# Altium PCB Balam_Board_2021.PcbDoc (continued)
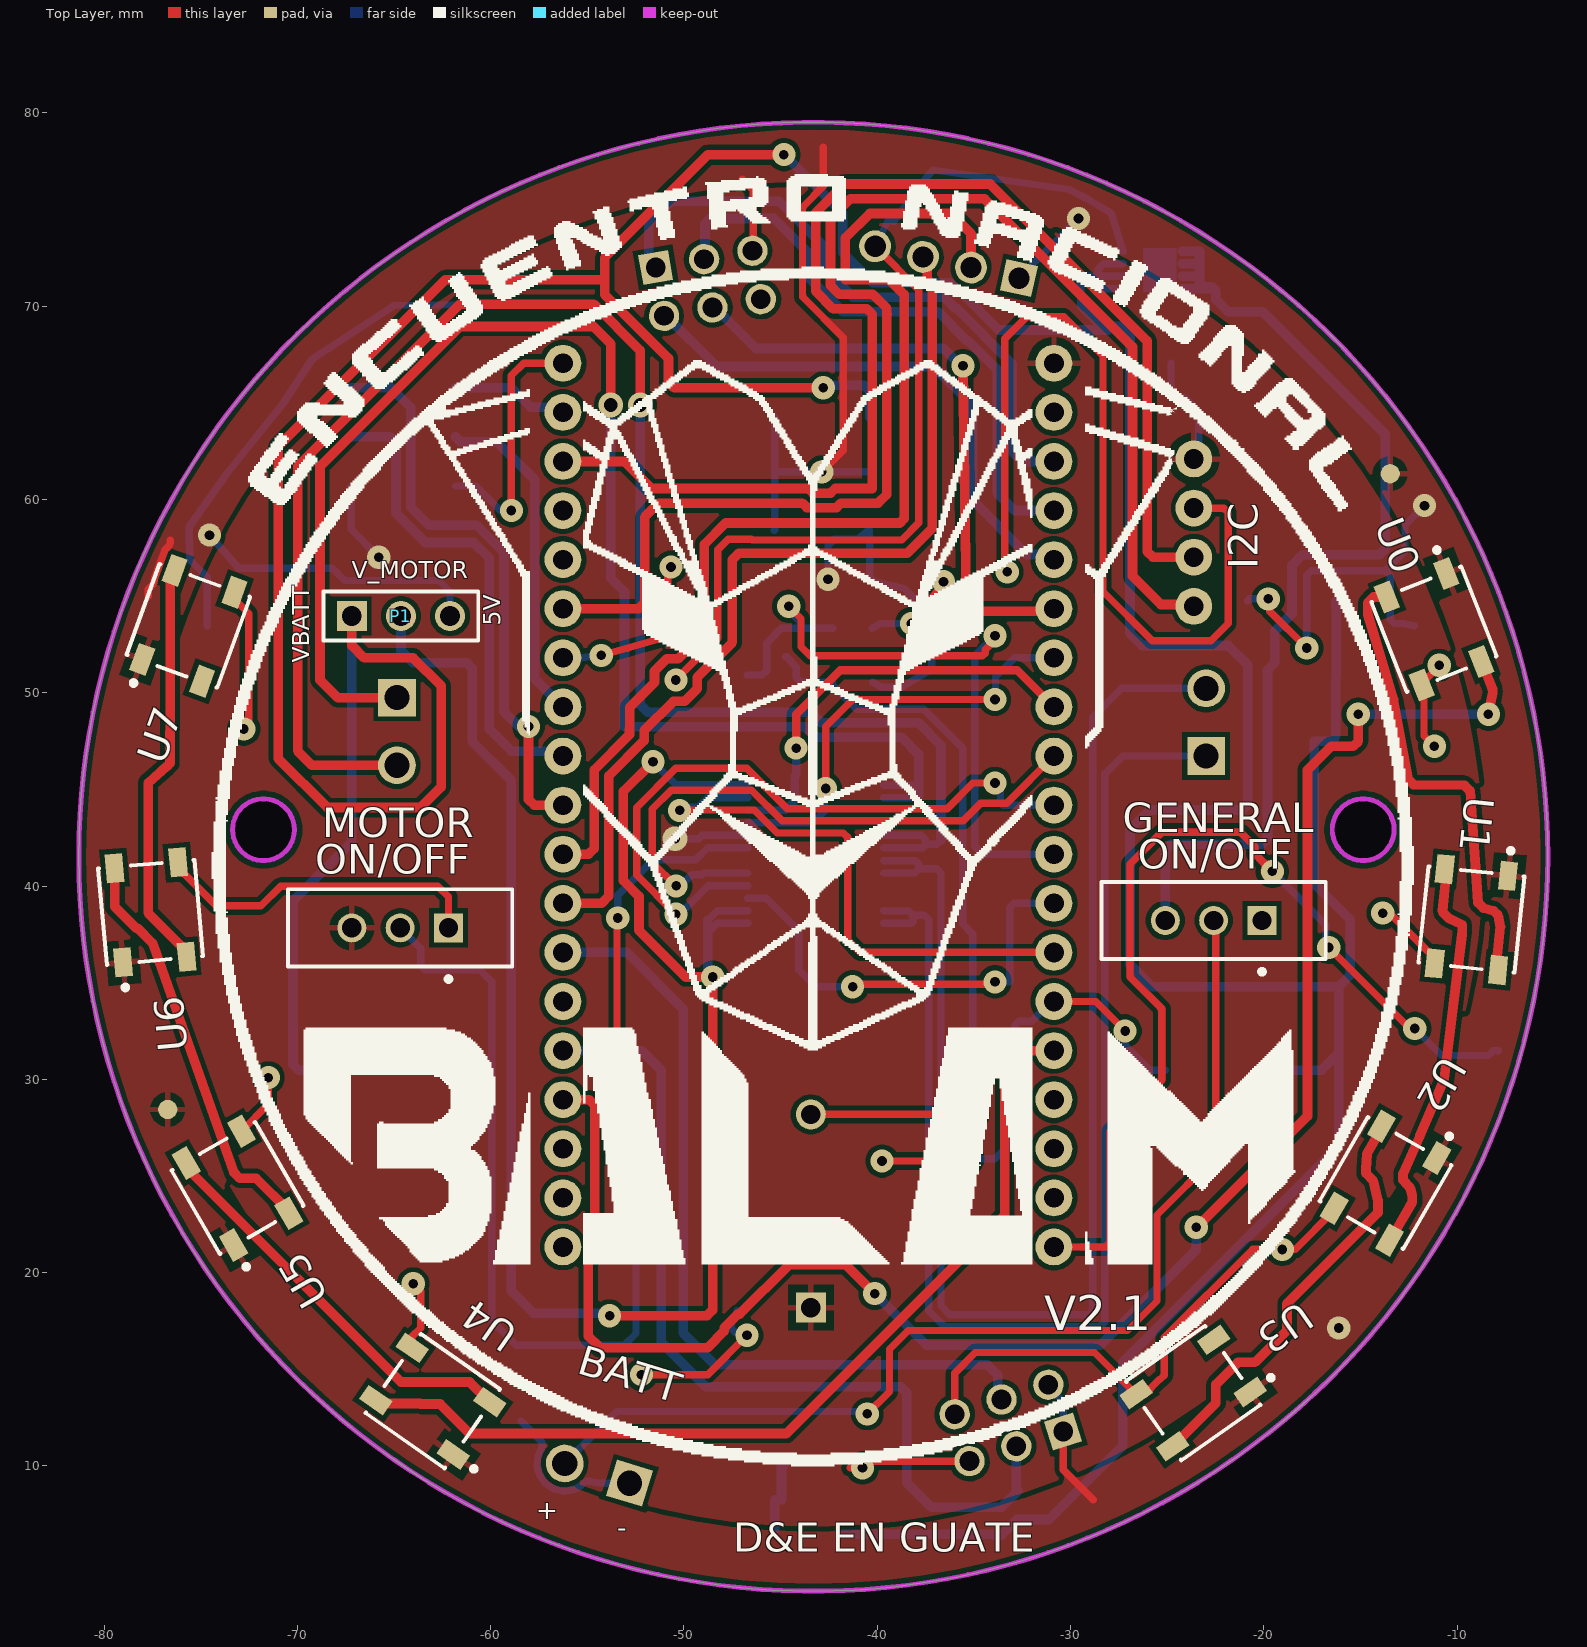
[diagram p0: Top Layer view]
## Part data (continued)
BATT MOTOR_1 MOTOR_2: library part CMP-1502-02464-1, "Serie 2141 - 3.50 mm Horizontal Entry Modular with Rising Cage Clamp WR-TBL, 2 pin", Manufacturer="Wurth Elektronik", Operating Temperature=-40to105degC, Datasheet URL=http://katalog.we-online.de/em/datasheet/6912141100xx.pdf, Manufacturer URL=http://www.we-online.de, Mounting Technology=THT, Package Reference=691214110002, Packaging=Box, Part Number=691214110002, Pin Number=2, Pitch=3.50mm, Publisher=WurthElektronik
BUZZER: library part CMP-08413-000001-1, "AUDIO PIEZO TRANSDUCER 30V TH", Frequency=2kHz, Manufacturer="TDK Corporation", Package=0, Temperature="-10°C to +70°C", Temperature Range High=+70°C, Temperature Range Low=-10°C, Automotive=No, Category=Speak, ComponentLink2Description=Datasheet, ComponentLink2URL=https://product.tdk.com/info/en/catalog/datasheets/piezoelectronic_buzzer_ps_en.pdf, Device Class L1=Electromechanical, Device Class L2="Audio Products", Device Class L3=Buzzers, Digikey Description="AUDIO PIEZO TRANSDUCER 30V TH", Height=8.3mm, Lead Free=Yes, Manufacturer Part Number=PS1720P02, Mouser Description="Audio Indicators & Alerts Round 17mmx8mm 2 kHz Vin=3V", Octopart=https://octopart.com/ps1720p02-tdk-154429, RoHS=TRUE, Standoff Height=0.5mm
C1 C2 C3 C4 C5 C6 C7 C8: library part CMP-2007-03241-1, Manufacturer=Kemet, Part Number=C0805C105Z4VACTU
C9 C10 C14: library part CMP-2000-05016-1, "Chip Capacitor, Ceramic, 0.1 uF, 10%, 50 V, 0805, RoHS, Tape and Reel", Capacitance=100nF, Case Size/Dimension=0805, Dielectric=X7R, Manufacturer=AVX, Rated Voltage=50V, Tolerance (%)=±10%, Datasheet URL=http://www.farnell.com/datasheets/319609.pdf, Datasheet Version=Sep-07, Manufacturer URL=http://www.avx.com/
C11 C12 C13 C15: library part CMP-2007-03242-1, "10µF ±10% 16V Ceramic Capacitor X5R 0805 (2012 Metric)", Part Number=CL21A106KOQNNNG
C16 C17: library part CMP-05427-000002-1, "CAP ALUM 47UF 20% 35V SMD", Capacitance=47uF, Leakage Current=16.45uA, Manufacturer=Panasonic, Package=FK-D, Ripple Current=240mA, Temperature="-55°C to +105°C", Temperature Range High=+105°C, Temperature Range Low=-55°C, Tolerance=20%, Voltage Rating=35V, Automotive=Yes, Automotive Grade="Grade 2", Category=Cap, ComponentLink2Description=Datasheet, ComponentLink2URL=https://industrial.panasonic.com/cdbs/www-data/pdf/RDE0000/ABA0000C1181.pdf, Device Class L1="Passive Components", Device Class L2=Capacitors, Device Class L3="Aluminum Electrolytic Capacitors", Digikey Description="CAP ALUM 47UF 20% 35V SMD", Dissipation Factor=12%, ESR=0.36Ω, Height=6.1mm, Lead Free=Yes, Life=2000Hours, Manufacturer Part Number=EEE-FK1V470P, Material=Aluminum, Mouser Description="Capacitor Aluminum Electrolytic 47uF 35 Volt 20% (6.3 X 5.8mm) Surface Mount 240mA 2000h 105C Automotive", Octopart=https://octopart.com/eeefk1v470p-panasonic-4642848, RoHS=TRUE
D1: library part CMP-2000-05061-2, "LED GREEN DIFFUSED 1206 SMD", Colour=Green, Forward Current=20mA, Forward Voltage=2.2V, Manufacturer=Broadcom, Max Junction Temp=+95°C, Power Dissipation=65mW, Reverse Voltage=5V, Temperature="-40°C to +85°C", Temperature Range High=+85°C, Temperature Range Low=-40°C, Automotive=No, Category=Diode, ComponentLink2Description=Datasheet, ComponentLink2URL=https://docs.broadcom.com/docs/AV02-0551EN, Device Class L1=Optoelectronics, Device Class L2=LEDs, Device Class L3=unset, Digikey Description="LED GREEN DIFFUSED 1206 SMD", Height=1.2mm, Ipc Land Pattern Name=DIOCP320160X55, Lead Free=Yes, Led Orientation="Top View", Luminous Intensity=15mcd, Manufacturer Part Number=HSMG-C150, Mouser Description="LED Uni-Color Green 570nm 2-Pin Chip LED T/R", Octopart=https://octopart.com/hsmg-c150-broadcom-71131304, Package=HSMG-C150, Peak Emmision Wavelength=570nm, RoHS=TRUE, Viewing Angle=170°, Wavelength=572nm
I2C: "Female Header 4 1 Straight，180degrees 2.54mm Through Hole,P=2.54mm Pin Header & Female Header RoHS"
J2 J4: library part CMP-15831-000002-1, "CONN HEADER R/A 6POS 2.54MM", Current Rating=3A, Manufacturer=Harwin, Package=0, Temperature="-40°C to +105°C", Temperature Range High=+105°C, Temperature Range Low=-40°C, Automotive=No, Category=Conn, ComponentLink2Description=Datasheet, ComponentLink2URL=https://cdn.harwin.com/pdfs/M20-995.pdf, Conn Gender=Male, Conn Orientation="Right Angle", Contact Material=Gold,Nickel, Device Class L1=Connectors, Device Class L2="Headers and Wire Housings", Device Class L3=unset, Digikey Description="CONN HEADER R/A 6POS 2.54MM", Height=5.28mm, Ipc Land Pattern Name=DFN400X400X80-14, Lead Free=Yes, Manufacturer Part Number=M20-9950345, Mouser Description="Headers & Wire Housings 03+03 DIL HORIZONTAL PIN HEADER GOLD HT", Number of Contacts=6, Number Of Rows=2, Octopart=https://octopart.com/m20-9950345-harwin-21265213, Pitch=2.54mm, RoHS=TRUE
ON/OFF ON/OFF: library part CMP-1696-00002-1, "Slide Switch, 500 V, -20 to 70 degC, 3-Pin THD, RoHS", Case\Package=SOT-23-5, Dropout Voltage="300 mV", Max Input Voltage="8 V", Max Operating Temperature="85 degC", Max Ouput Current="150 mA", Max Power Dissipation="250 mW", Min Input Voltage="4.3 V", Min Operating Temperature="-40 degC", Nominal Output Voltage="3.3 V", Package Quantity=3000, ComponentLink1Description="Manufacturer URL", ComponentLink1URL=http://www.e-switch.ch/en/, ComponentLink2Description=Datasheet, ComponentLink2URL=https://www.e-switch.com/system/asset/product_line/data_sheet/119/EG.pdf, DatasheetVersion=Oct-15, Height="1.3 mm", Length="3 mm", Mount="Surface Mount", Output Current="150 mA", Output Voltage="3.3 V", Outputs=1, PackageDescription="3-Pin Through Hole Device, Body 11.6 x 4 mm, Pitch 2.5 mm", PackageReference=EG1218, Packaging="Tape and Reel", Pins=5, Power Rating="250 mW", Radiation Hardening=No, REACH SVHC="No SVHC", RoHSCompliant=true, Width="1.8 mm"
P1: library part CMP-1024-00331-1, "0.025\" SQ Post Header, Through-hole, Vertical, -55 to 125 degC, 2.54 mm Pitch, 3-Pin, Male, RoHS", Manufacturer=Samtec, Temperature Range="-55 to 125 degC", ComponentLink1Description="Manufacturer URL", ComponentLink1URL=http://www.samtec.com, ComponentLink2Description=Datasheet, ComponentLink2URL=http://www.samtec.com/documents/webfiles/pdf/TSW_TH.PDF, ComponentLink3Description="Package Specification", ComponentLink3URL=http://www.samtec.com/documents/webfiles/cpdf/TSW-XXX-XX-XXX-X-XX-XXX-MKT.pdf, DatasheetVersion=F-214, Mounting Technology=Through-hole, Orientation=Vertical, PackageDescription=".025[0.64] SQ. Post Terminal Strip Assembly", PackageReference=TSW-103-07-X-S, PackageVersion="DM, 8/1988", PartNumber=TSW-103-07-F-S, Pitch="2.54 mm", RoHS=True
P2: library part CMP-1502-01024-1, "SMT Vertical Pin Header WR-PHD, Pitch 2.54 mm, Dual Row, 6 pins", Contact Resistance=20mOhm, Manufacturer="Wurth Elektronik", Operating Temperature=-40to125degC, Rated Current=3A, Withstanding Voltage=500VAC, Working Voltage=250VAC, Datasheet URL=https://katalog.we-online.de/em/datasheet/6100xx21121.pdf, Gender=Male, Manufacturer URL=http://www.we-online.de, Mounting Technology=SMT, Orientation=Vertical, Package Reference=61000621121, Packaging=Tube, Part Number=61000621121, Pin Number=6, Pitch=2.54mm, Publisher=WurthElektronik, Row Number=Dual
P3: library part CMP-1502-01063-1, "THT Angled Pin Header WR-PHD, Pitch 2.54 mm, Single Row, 4 pins", Contact Resistance=20mOhm, Manufacturer="Wurth Elektronik", Operating Temperature=-40to105degC, Rated Current=3A, Withstanding Voltage=500VAC, Working Voltage=250VAC, Datasheet URL=https://katalog.we-online.de/em/datasheet/6130xx11021.pdf, Gender=Male, Manufacturer URL=http://www.we-online.de, Mounting Technology=THT, Orientation=Angled, Package Reference=61300411021, Packaging=Bag, Part Number=61300411021, Pin Number=4, Pitch=2.54mm, Publisher=WurthElektronik, Row Number=Single
Q1: library part CMP-2000-04930-1, "N-Channel Enhancement Mode Mosfet, 50 V, 0.2 A, -55 to 150 degC, 3-Pin SOT23, RoHS, Tape and Reel", Id - Continuous Drain Current=200mA, Manufacturer="Diodes Inc", Maximum Operating Temperature=+150C, Minimum Operating Temperature=-55C, Package / Case=SOT-23-3, Package Description="3-Pin Small Outline Transistor, Body 2.9 x 1.3 mm, Pitch 0.96 mm", Package Reference=SOT23-3, Pd - Power Dissipation=300mW, Rds On - Drain-Source Resistance=3.5Ohms, Vds - Drain-Source Breakdown Voltage=50V, Vgs - Gate-Source Voltage=20V, Brand=DiodesIncorporated, Channel Mode=Enhancement, Configuration=Single, Datasheet URL=https://datasheet.ciiva.com/8115/ds30144-8115344.pdf, Datasheet Version="Rev. 20-2, 11/2013", Factory Pack Quantity=3000, Height=1mm, Length=2.9mm, Manufacturer URL=http://www.diodes.com/, Mounting Style=SMD/SMT, Number of Channels=1Channel, Packaging=Reel, Product=MOSFETSmallSignal, Product Category=MOSFET, RoHS=True, Series=BSS138, Technology=Si, Transistor Polarity=N-Channel, Transistor Type=1N-Channel, Typical Turn-Off Delay Time=20ns, Typical Turn-On Delay Time=20ns, Unit Weight=0.000282oz, Width=1.3mm
Q2: library part CMP-1099-00063-1, "P-Channel OptiMOS P3 Power-Transistor, -30 V VDS, -40 A ID, -55 to 150 degC, PG-TSDSON-8-1, Reel, Green", Manufacturer=Infineon, ComponentLink1Description="Manufacturer URL", ComponentLink1URL=http://www.infineon.com/, ComponentLink2Description=Datasheet, ComponentLink2URL=http://www.infineon.com/dgdl/BSZ086P03NS3+G_2.03.pdf?folderId=db3a304314dca38901154a7313d21a66&fileId=db3a30431ff9881501203d3a5e7d17a9, ComponentLink3Description="Package Specification", ComponentLink3URL=http://www.infineon.com/dgdl/BSZ240N12NS3+Rev2.0.pdf?folderId=db3a304313b8b5a60113cee8763b02d7&fileId=db3a30432a40a650012a42f3057a0038, DatasheetVersion="Rev. 2.03", Green=TRUE, Halogen-free=TRUE, ID (max)="-40Â A", IDpuls (max)="-160Â A", Mounting Technology="Surface Mount", PackageDescription="8-Pin Plastic (Green) Thin Dual Small Outline Non-Leaded Package, 3.3 x 3.3 mm Body, 0.65 mm Pitch", PackageReference=PG-TSDSON-8-1, PackageVersion="Rev. 02, 09/2008", Packing=Reel, PartNumber="BSZ086P03NS3 G", Pto t (max)="69Â W", QG="43.2Â nC", RDS (on) (max)="8.6Â mOhm", Rth="1.8Â K/W", RthJC (max)="1.8 K/W", VDS (max)="-30Â V", VGS(th) (max)="-1.9Â V", VGS(th) (min)="-3.1Â V"
R1: library part CMP-1013-00510-1, "1K 0.125W 1% 0805 (2012 Metric)  SMD", Case-EIA=0805, Case-Metric=2012, Power="0.125 W", Tolerance="1 %", Technology=SMT
R2: library part CMP-2001-04657-1, "10 kOhms ±5% 0.25W, 1/4W Chip Resistor 0805 (2012 Metric) Automotive AEC-Q200, Moisture Resistant Thick Film", Manufacturer="KOA Speer", Part Number=RK73B2ATTD103J
R11: library part CMP-2001-00612-1, Manufacturer=Panasonic, Part Number=ERA6AEB221V
U0 U1 U2 U3 U4 U5 U6 U7: library part CMP-2000-05026-1, "Intelligent Control LED Integrated Light Source, 3.5 to 5.3 V, -25 to 80 degC, 4-Pin SMD, RoHS, Tape and Reel", Color=Red,Green,Blue(RGB), Manufacturer=Adafruit-Industries-LLC, Package Description="4-Pin Surface Mount Device, Body 5 x 5 mm", Category=Optoelectronics, Configuration=Discrete, Controller Type=-, Datasheet URL=http://datasheet.octopart.com/ADA1655-Adafruit-Industries-datasheet-32028139.pdf, Datasheet Version=May-13, Family=Addressable,Specialty, Interface=-, Manufacturer URL=https://www.adafruit.com/, Mounting Type=SurfaceMount, Number of LEDs=10, Package Reference=1655, Series=Neopixel, Size / Dimension=5.00mmLx5.00mmW, Utilized LED=WS2812(5050)
U9: library part CMP-2100-03693-3, "IC MOTOR DRIVER 2.7V-5.5V 24SSOP", Case/Package=SSOP, Max Operating Temperature=85°C, Max Supply Voltage=5.5V, Min Operating Temperature=-20°C, Min Supply Voltage=2.7V, Operating Supply Voltage=3V, Output Current=1A, Package Quantity=1, Interface=Parallel, Logic Function=AND, Mount="Surface Mount", Number of Outputs=2, Number of Pins=24, Packaging="Tape and Reel"
U10: library part CMP-0244-00216-1, "Positive Voltage Regulator, 3-Pin DPAK, Tape and Reel", ComponentLink1Description="Manufacturer URL", ComponentLink1URL=http://www.st.com, ComponentLink2Description=Datasheet, ComponentLink2URL=http://www.st.com/internet/com/TECHNICAL_RESOURCES/TECHNICAL_LITERATURE/DATASHEET/CD00000444.pdf, DatasheetVersion=16/11/2011, PackageDescription="3-Pin Transistor Outline Package 2.28 mm Pitch, 9.7 mm Lead Span (DPAK)", PackageReference=TO-252, PackageVersion=2011

## Free pads (board coordinates)
  round 1 smd far side paste+0 mask+0.5: 100(-77.491,47.749) 100(-10.414,28.311)
  round 1 smd paste+0 mask+0.5: 100(-76.708,28.438) 100(-13.462,61.331)

## Via types
v1: diameter 1.2, hole 0.5, Top Layer to Bottom Layer, tented both sides, 58 vias
v2: diameter 1.27, hole 0.711, Top Layer to Bottom Layer, tented both sides, 2 vias
v3: diameter 1.27, hole 0.5, Top Layer to Bottom Layer, tented both sides, 1 vias

## Nets (pads, with @x,y where several pads share a name; then routed paths per layer and width w, separated by ;. In a path a pad name is that pad's centre, name@x,y a point inside that pad or via, vN(x,y) a via of type N, cw(c..) or ccw(c..) an arc to the next point about the centre after c; other vN are vias at no path point)
3V3: BUZZER.1 C9.2 C10.2 ESP.3V3 I2C.1 ON/OFF.3@-67.183,37.836 P2.1 R1.2 U9.20 | length 30.7
  Bottom Layer w0.381: P2.1 -67.216,58.443 v1(-65.786,57.013) ; v3(-50.465,42.445) -49.243,42.445 -49.068,42.621 U9.20 ; v1(-42.545,55.87) -42.545,57.617 -42.432,57.729 -42.217,57.945 -41.006,57.945 C9.2 -40.386,57.826 -40.386,56.055 -40.386,55.966 -40.163,55.743 -38.588,55.386 -37.324,54.198 -37.294,54.168 -37.211,54.085 -37.182,54.017 -37.182,51.276 -37.208,51.25 -37.32,51.138 -38.735,50.282 -39.79,50.282 R1.2 ; C10.2 -24.801,65.268 -24.099,65.268 -23.368,64.537 I2C.1@-23.368,62.093
5V: C1.2 C2.2 C3.2 C4.2 C5.2 C6.2 C7.2 C8.2 C12.2 C13.2 C14.2 C15.2 ESP.5V J2.5 J4.1 J4.2 P1.3 P3.1 pad.100@-13.462,61.331 pad.100@-76.708,28.438 U0.1 U1.1 U2.1 U3.1 U4.1 U5.1 U6.1 U7.1 U10.3 | length 132.4
  Top Layer w0.381: -77.724,54.981 -77.724,55.359 -77.522,55.561 ccw(c-77.792,55.829) -77.412,55.802 cw(c-77.033,55.777) -77.39,55.907 -76.877,57.316 cw(c-76.52,57.186) -76.74,57.496 ccw(c-76.962,57.806) -76.581,57.805 -76.581,57.902 ; -46.99,76.571 -46.418,75.999 J2.5@-46.418,72.95 ; v1(-42.877,61.427) -41.754,62.549 -41.754,68.365 -43.87,70.481 -43.87,75.124 -42.799,76.195 -42.799,78.222 ; ESP.5V -28.163,21.326 -27.94,21.549 -27.94,27.295 -25.273,29.962 -25.273,33.645 -26.924,35.296 -26.924,41.138 -25.273,42.789 -21.209,42.789 -20.462,42.042 -20.462,41.661 v1(-19.558,40.757) ; J4.1 -30.383,9.8 -28.829,8.245 ; -19.685,54.219 v1(-17.78,52.314) ; v1(-16.637,36.82) -12.446,32.629 v1(-12.192,32.629)
  Bottom Layer w0.381: v1(-74.549,58.156) -73.025,56.442 -68.199,56.442 -67.564,55.807 -62.674,55.807 -62.103,55.235 P1.3 ; C13.2 -45.309,58.429 C12.2 ; C15.2 v1(-42.877,61.427) -40.453,61.427 C14.2 ; P3.1 -32.671,71.454 -29.591,74.533 v1(-29.591,74.539) ; J4.2 -31.147,14.097 -30.383,13.333 J4.1 ; U10.3 -20.742,54.854 v1(-19.773,54.854) ; v1(-19.558,40.757) -16.793,37.992 -16.793,36.976 v1(-16.637,36.82) ; v1(-17.78,52.314) -17.78,56.095 -17.557,56.318 -13.711,56.318 ; C1.2 -12.762,53.584 -13.188,53.584 -13.242,53.584 -13.465,53.807 -13.465,54.123 -13.463,55.096 -13.462,56.069 -13.711,56.318 ; v1(-12.192,32.629) -10.795,31.232 -8.382,31.232 -8.128,31.486 -7.874,31.486 ; v1(-11.684,59.68) -12.7,58.664 -12.7,57.329 -13.711,56.318
  other v1: -16.129,17.135
AIN_1: ESP.32 U9.21 | length 22.6
  Top Layer w0.381: v1(-42.672,45.047) -42.672,48.25 -41.275,49.647 v1(-33.909,49.647)
  Bottom Layer w0.381: U9.21 -43.333,43.271 -42.729,43.875 -42.729,44.99 v1(-42.672,45.047) ; v1(-33.909,49.647) -33.88,49.676 -33.88,50.819 -32.893,51.806 ESP.32
AIN_2: ESP.33 U9.22 | length 22.2
  Top Layer w0.432: v1(-44.196,47.136) -44.196,48.881 -41.906,51.171 -32.766,51.171 ESP.33
  Bottom Layer w0.381: U9.22 -44.754,43.921 -44.608,44.068
  Bottom Layer w0.432: -44.608,44.068 -44.273,44.402 -44.273,45.672 -44.196,45.749 v1(-44.196,47.136)
BIN_1: ESP.25 U9.17 | length 31.7
  Top Layer w0.381: v1(-50.407,40.007) -50.431,40.007 -51.634,41.21 -51.634,43.984 -50.658,44.96 -46.506,44.96 -44.918,43.371 -35.554,43.371 -34.64,44.285 -33.303,44.285 ESP.25
  Bottom Layer w0.381: v1(-50.407,40.007) -50.186,40.007 -49.604,40.589 -49.063,40.589 -48.981,40.671 U9.17
BIN_2: ESP.26 U9.16 | length 35.5
  Top Layer w0.381: v1(-50.419,38.541) -52.451,40.573 -52.451,44.059 -50.419,46.091 -46.745,46.091 -44.656,44.002 -36.379,44.002 -35.052,45.329 v1@-33.782,45.329
  Bottom Layer w0.381: v1(-50.419,38.541) -50.219,38.541 -48.739,40.021 U9.16 ; v1@-33.782,45.329 -33.625,45.172 -33.625,44.334 -33.477,44.186 ESP.26
  other v1: -33.909,45.329
Buzzer_O: ESP.27 Q1.1 R2.1 | length 36.5
  Top Layer w0.381: v1(-44.577,54.473) -43.942,53.838 -43.942,52.384 -43.463,51.905 -34.563,51.905 -34.417,52.051 -34.417,52.22 -33.909,52.728 v1(-33.909,52.949)
  Bottom Layer w0.381: Q1.1 -45.943,50.917 -45.72,51.14 -45.72,52.568 -44.958,53.33 -43.942,53.33 ; v1(-44.577,54.473) -44.577,54.252 -43.942,53.617 -43.942,53.33 ; R2.1 -43.942,53.33 ; v1(-33.909,52.949) -34.953,51.905 -34.953,42.056 -34.544,41.646 ESP.27
CNY70_1: ESP.VP J2.1 | length 32.8
  Bottom Layer w0.5: J2.1@-51.412,72.022 -51.816,72.426 -51.816,74.285 -50.673,75.428 -45.085,75.428 -42.799,73.142 -42.799,72.003 -41.26,70.463 -36.556,70.463 -36.012,69.919 -35.938,69.919 -33.02,67.001 -33.02,62.474 -32.512,61.966 ESP.VP
CNY70_2: ESP.VN J2.3 | length 30.7
  Bottom Layer w0.5: J2.3@-48.915,72.486 -48.915,74.265 -48.641,74.539 -45.339,74.539 -43.561,72.761 -43.561,71.491 -41.783,69.713 -36.867,69.713 -35.361,68.208 -35.287,68.208 -33.782,66.702 -33.782,60.315 -32.893,59.426 ESP.VN
CNY70_3: ESP.34 J2.2 | length 28.2
  Bottom Layer w0.5: J2.2@-50.948,69.525 -48.303,66.88 -37.082,66.88 -35.052,64.85 -35.052,59.934 -32.273,57.155 -31.13,57.155 ESP.34
CNY70_4: ESP.35 J2.4 | length 31.2
  Top Layer w0.5: v1(-35.56,66.919) -35.391,54.685 -34.925,54.219 -30.988,54.219 ESP.35
  Bottom Layer w0.5: J2.4@-48.451,69.989 -46.27,67.808 -36.576,67.808 -35.687,66.919 v1(-35.56,66.919)
CS: ESP.5 P2.5 | length 30
  Top Layer w0.5: v1(-58.039,48.25) -58.039,44.479 -57.746,44.186 ESP.5
  Bottom Layer w0.5: P2.5 -65.151,65.776 -64.135,64.76 -64.135,59.598 -63.201,58.664 -60.706,58.664 -59.309,57.267 -59.309,49.012 -58.547,48.25 v1(-58.039,48.25)
DIN_Neopixel: ESP.15 U0.4 | length 92.6
  Top Layer w0.5: ESP.15 -54.903,28.946 -54.61,28.653 -54.61,20.917 -54.952,20.575 -54.952,16.715 -54.356,16.119 -48.768,16.119 -47.917,16.97 -47.917,17.134 -47.193,17.858 -47.117,17.858 -44.577,20.398 -41.617,20.398 v1(-40.132,18.913) ; v1(-23.495,22.342) -17.741,28.096 -17.741,46.003 -16.51,47.234 -15.367,47.234 -15.113,47.488 v1(-15.113,48.885) ; U0.4 -8.554,51.162 -8.171,50.198 -8.159,50.002 v1(-8.382,48.885)
  Bottom Layer w0.5: v1(-40.132,18.913) -37.465,16.246 -28.448,16.246 -23.495,21.199 v1(-23.495,22.342) ; v1(-15.113,48.885) v1(-8.382,48.885)
DIN_Neopixel2: ESP.13 U4.4 | length 48.7
  Top Layer w0.5: U4.4 -65.775,13.231 -63.66,13.231 -63.627,13.198 -62.611,13.198 -61.087,11.674 -44.704,11.674 -33.401,22.977 -33.401,31.066 -32.981,31.486 ESP.13
Dout5: U4.2 U5.4 | length 21
  Top Layer w0.5: U5.4 -75.75,25.448 -64.643,14.341 -61.086,14.341 U4.2
ECHO: ESP.16 P3.3 | length 48.2
  Top Layer w0.5: ESP.16 -54.268,39.106 -53.891,39.483 -53.891,45.704 -52.063,47.532 -52.063,48.042 -50.546,49.559 -49.962,49.559 -49.315,50.206 -49.315,50.791 -47.498,52.608 -47.498,56.886 -47.172,57.212 -38.449,57.212 -37.156,58.505 -37.156,71.119 -37.41,71.374 -37.41,72.327 P3.3
GND: BATT.1 C1.1 C2.1 C3.1 C4.1 C5.1 C6.1 C7.1 C8.1 C9.1 C10.1 C11.1 C12.1 C13.1 C14.1 C15.1 C16.1 C17.1 ESP.GND I2C.2 J2.6 J4.5 J4.6 ON/OFF.1@-62.183,37.836 P2.2 P3.4 Q1.2 Q2.4 R2.2 R11.1 U0.3 U1.3 U2.3 U3.3 U4.3 U5.3 U6.3 U7.3 U9.3 U9.4 U9.9 U9.10 U9.18 U10.4 | length 266.4
  Top Layer w0.381: U6.3 -76.169,40.952 -74.196,38.979 -71.882,38.979 -70.866,39.995 -62.738,39.995 -62.183,39.44 ON/OFF.1@-62.183,37.836 ; U7.3 -73.252,54.836 -72.517,54.101 -72.517,48.377 v1(-72.771,48.123) ; U5.3 -71.501,28.712 v1(-71.501,30.089) ; U4.3 -64.084,16.136 -64.084,16.678 -63.627,17.135 -63.627,19.04 v1(-64.008,19.421) ; v1(-58.928,59.426) -58.928,66.411 -58.293,67.046 ESP.GND@-56.261,67.046 ; v1(-54.275,51.932) -52.923,52.306 -50.828,52.905 -50.673,53.079 -50.673,54.618 -50.927,54.872 -50.927,55.268 -50.83,55.365 -50.83,56.348 v1(-50.673,56.505) ; v1(-52.197,14.722) -48.768,14.722 v1(-46.736,16.754) ; v1(-50.419,50.663) -48.26,52.822 -48.26,57.394 -47.71,57.944 -46.524,57.944 -46.482,57.902 -38.735,57.902 -37.846,58.791 -37.846,70.833 P3.4 ; v1(-40.767,9.896) -41.402,9.896 cw(c-40.55,9.044) -40.55,10.249 J4.5 ; v1(-39.751,25.771) -35.433,25.771 v1(-35.306,25.898) ; v1(-38.227,53.584) -36.839,55.35 -36.83,55.362 v1(-36.576,55.743) ; J4.6 -35.992,14.798 -34.925,15.865 -28.764,15.865 U3.3 -26.16,13.712 -25.404,14.468 -25.369,14.468 -25.146,14.691 -25.146,16.627 -20.574,21.199 v1(-19.05,21.199) -18.378,21.199 -16.357,23.22 U2.3 ; v1(-33.274,56.251) -33.401,56.378 -33.401,68.316 -32.258,69.459 -30.353,69.459 -28.321,67.427 -28.321,55.235 -25.781,52.695 -22.733,52.695 -21.844,53.584 -21.844,59.33 -22.067,59.553 I2C.2@-23.368,59.553 ; ESP.GND@-30.861,34.026 -28.702,34.026 v1(-27.178,32.502) ; v1(-13.843,38.598) -13.493,38.598 -11.162,36.267 U1.3 ; v1(-11.176,47.234) -11.716,47.774 -11.716,50.291 U0.3 -11.826,50.478 -10.922,51.382 v1(-10.922,51.425)
  Bottom Layer w0.381: C8.1 -74.665,55.983 -75.345,56.663 -75.565,56.883 -75.569,57.566 -75.569,57.699 -75.594,57.723 -75.594,58.589 -73.655,61.327 -70.624,65.126 -69.259,67.232 -69.166,67.3 -64.992,70.032 -59.817,70.094 ; P2.2 -60.766,60.696 -59.496,59.426 v1(-58.928,59.426) ; -58.42,12.309 -57.439,11.328 cw(c-57.708,11.058) -57.381,10.862 ccw(c-56.166,10.128) -55.188,9.1 cw(c-54.925,8.824) -54.826,9.192 ccw(c-54.163,11.644) -54.163,9.104 BATT.1 ; ESP.GND@-56.261,51.806 -55.637,51.806 -55.321,51.806 v1(-54.275,51.932) ; -47.244,18.024 -47.544,17.35 -47.544,17.112 -47.32,16.888 v1(-46.736,16.754) ; R2.2 -39.815,53.584 v1(-38.227,53.584) ; P3.4 -39.37,74.539 ; -39.152,74.376 -37.338,76.797 -37.105,77.046 -30.04,76.032 -29.119,75.544 -28.061,74.92 -27.893,74.772 Q2.4 ; v1(-35.306,25.898) -33.909,25.898 -32.893,26.914 -32.893,32.787 -32.67,33.01 -32,33.01 -30.984,34.026 ESP.GND@-30.861,34.026 ; v1(-27.178,32.502) -27.178,31.742 -25.906,30.47 C17.1
GPIO0: ESP.0
GPIO2: ESP.2 J4.3 | length 47
  Bottom Layer w0.5: ESP.2 -52.197,31.486 -51.181,30.47 -51.181,16.408 -48.86,14.087 -38.774,14.087 -38.481,13.794 -38.481,9.134 -37.211,7.864 -33.561,7.864 -32.719,8.706 -32.806,8.793 J4.3
GPIO4: ESP.4 J4.4 | length 42.7
  Bottom Layer w0.5: ESP.4 -52.959,36.566 -50.038,33.645 -50.038,16.881 -48.387,15.23 -34.29,15.23 -33.774,14.714 -33.774,13.64 J4.4
MOTOR_V: P1.2 U9.13 U9.14 U9.24 | length 94.6
  Top Layer w0.5: v1(-53.848,17.77) -48.807,17.77 -48.514,18.063 v1(-48.514,35.296) -49.911,35.296 -52.324,37.709 -52.324,39.47 -53.141,40.287 -53.141,44.893 v1(-51.606,46.428)
  Bottom Layer w0.381: v1(-51.606,46.428) -50.433,45.255 -47.514,45.255 -47.49,45.231 -46.753,45.231 U9.24@-46.739,45.245 ; -48.768,37.582 -48.279,38.071 U9.13 ; -48.768,38.217 -48.264,38.721 U9.14
  Bottom Layer w0.5: P1.2 -64.643,52.187 -64.008,51.552 -61.253,51.552 -60.96,51.259 -60.96,47.488 -58.928,45.456 -58.928,19.04 -57.785,17.897 -53.975,17.897 v1(-53.848,17.77) ; -48.768,38.217 -48.768,37.582 -48.768,35.804 -48.514,35.55 v1(-48.514,35.296)
NetBATT_2: BATT.2 ON/OFF.2@-22.597,38.217 | length 56.5
  Top Layer w0.381: v1(-40.513,12.69) -39.37,13.833 -39.37,16.032 -38.393,17.008 -27.051,17.008 -25.527,18.532 -25.527,22.977 -22.479,26.025 -22.479,38.099 ON/OFF.2@-22.597,38.217
  Bottom Layer w0.381: BATT.2 -53.477,12.817 -40.64,12.817 v1(-40.513,12.69)
NetBUZZER_2: BUZZER.2 Q1.3 R1.1 | length 39.1
  Top Layer w0.381: BUZZER.2 v1(-35.052,28.184)
  Bottom Layer w0.381: Q1.3 -44.686,51.867 -44.476,51.658 -44.476,51.608 -44.196,51.327 -44.196,50.79 -43.942,50.536 R1.1 -42.325,50.411 -41.053,49.139 -37.592,49.139 -35.584,47.132 -35.584,38.035 -35.052,37.502 v1(-35.052,28.184)
NetD1_1: D1.1 R11.2 | length 4
  Bottom Layer w0.5: D1.1 -45.311,8.245 -44.958,8.245 -44.958,10.023 R11.2
NetMOTOR_1_1: MOTOR_1.1 U9.1 U9.2 | length 75.6
  Top Layer w0.5: MOTOR_1.1 -67.917,49.746 -68.834,50.663 -68.834,61.712 -61.595,68.951 -54.679,68.951 -53.79,68.062 v2(-53.79,64.887)
  Bottom Layer w0.381: U9.2 -39.651,44.567 -37.973,44.567 -37.858,44.682 ; U9.1 -38.081,45.221 -37.858,44.998
  Bottom Layer w0.5: v2(-53.79,64.887) -53.79,55.94 -53.075,55.225 -53.075,48.24 -43.739,48.24 -43.198,47.699 -38.755,47.699 -37.858,46.802 -37.858,44.998 -37.858,44.682
NetMOTOR_1_2: MOTOR_1.2 U9.5 U9.6 | length 87.7
  Top Layer w0.5: MOTOR_1.2 -69.243,46.246 -69.989,46.992 -69.989,61.712 -61.595,70.106 -54.666,70.106 -52.266,67.706 v2(-52.266,64.887)
  Bottom Layer w0.381: U9.6 -39.644,41.982 -37.637,41.982 -37.512,42.107 ; U9.5 -37.711,42.621 -37.512,42.422 -37.512,42.107 ; -36.703,42.377 -36.926,42.154 -37.465,42.154 -37.512,42.107
  Bottom Layer w0.5: v2(-52.266,64.887) -52.266,49.399 -51.857,48.99 -43.428,48.99 -42.887,48.449 -37.878,48.449 -36.703,47.274 -36.703,42.377
NetMOTOR_2_1: MOTOR_2.1 U9.11 U9.12 | length 68.2
  Bottom Layer w0.381: U9.12 -38.246,38.071 -38.145,38.173 -38.145,38.488 ; U9.11 -39.645,38.711 -38.368,38.711 -38.145,38.488 ; MOTOR_2.1 -27.296,46.726 -28.223,45.8 -28.223,17.448 -28.48,17.191 -36.514,17.191 -37.338,18.015 -37.338,38.265 -37.561,38.488 -38.145,38.488
NetMOTOR_2_2: MOTOR_2.2 U9.7 U9.8 | length 73
  Bottom Layer w0.381: U9.8 -38.069,40.671 -37.846,40.894 ; U9.7 -39.644,41.311 -38.018,41.311 -37.846,41.138 -37.846,40.894 ; MOTOR_2.2 -27.361,50.226 -28.854,48.734 -28.854,18.045 -29.077,17.822 -36.246,17.822 -36.703,18.278 -36.703,40.671 -36.926,40.894 -37.846,40.894
NetON/OFF1_2: ON/OFF.2@-64.683,37.836 U9.19 | length 63
  Top Layer w0.381: v1(-53.467,26.279) -53.467,38.305 v1(-53.428,38.344)
  Bottom Layer w0.381: ON/OFF.2@-64.683,37.836 -63.627,36.78 -63.627,35.9 -63.404,35.677 -60.579,35.677 -59.944,35.042 -59.944,17.516 -58.674,16.246 -53.086,16.246 -52.482,16.85 -52.482,20.961 -53.467,21.947 v1(-53.467,26.279) ; v1(-53.428,38.344) -53.428,39.526 -51.588,41.366 -49.384,41.366 -48.779,41.971 U9.19
NetON/OFF_3: ON/OFF.3@-25.097,38.217 Q2.5 Q2.6 Q2.7 Q2.8 | length 54.1
  Bottom Layer w0.5: ON/OFF.3@-25.097,38.217 -25.097,41.861 -24.804,42.154 -20.105,42.154 -19.812,42.447 -19.812,51.171 -19.431,51.552 -19.431,53.203 -18.542,54.092 -18.542,56.593 -17.995,57.14 -14.009,57.14 -13.716,57.433 -13.716,63.363 -20.066,69.713 -21.844,69.713 -22.479,70.348 -22.479,70.801 -22.575,70.897 ; Q2.8 -22.575,70.897 ; Q2.7 -23.327,71.547 ; Q2.6 -23.327,72.197 ; Q2.5 -23.327,72.847 -23.327,72.197 ; -23.327,71.547 -23.327,72.197 ; -23.327,71.547 -23.327,70.997 -22.674,70.997 -22.575,70.897
NetU1_2: U0.2 U1.4 | length 23.9
  Top Layer w0.5: U0.2 -14.33,54.956 -14.623,54.663 -14.623,54.137 -14.623,54.063 -13.294,49.654 -12.525,45.5 -12.269,45.244 -9.618,45.208 -9.328,44.918 -8.919,39.141 -8.641,38.862 -8.105,38.704 -7.869,38.468 -7.759,37.898 -7.942,36.163 U1.4
NetU2_2: U1.2 U2.4 | length 20.8
  Top Layer w0.5: U2.4 -13.213,22.094 -12.321,23.642 -12.321,23.983 -12.43,24.381 -12.801,24.787 -12.801,25.1 -11.937,27.044 -10.659,30.034 -9.749,37.486 -9.733,37.644 -9.733,37.998 -10.446,38.344 -10.739,38.637 -10.754,38.733 -10.582,40.364 U1.2
NetU3_2: U2.2 U3.4 | length 21.9
  Top Layer w0.5: U3.4 -22.479,13.248 -22.479,14.214 -21.336,15.357 -20.463,15.357 -18.804,17.016 -18.804,18.397 -14.097,23.104 -14.097,23.739 -14.336,24.745 -14.717,25.139 -14.717,25.362 -14.665,26.141 -14.106,27.111 U2.2
NetU6_2: U5.2 U6.4 | length 21.1
  Top Layer w0.5: U6.4 -79.456,38.933 -78.342,37.819 -78.266,37.819 -77.487,37.04 -77.449,36.933 -73.279,25.175 -72.986,24.882 -72.88,24.882 -72.137,24.882 -70.442,23.187 U5.2
NetU7_2: U6.2 U7.4 | length 21.4
  Top Layer w0.5: U7.4 -76.581,56.1 -76.581,50.155 -76.582,49.773 -76.592,46.353 -76.749,46.196 -77.724,45.329 -77.724,38.61 -75.729,36.615 U6.2
PWM_A: ESP.12 U9.23 | length 29.3
  Top Layer w0.381: v1(-50.226,43.915) -50.208,43.932 -46.371,43.932 -45.179,42.74 -41.752,42.74 -41.529,42.517 -41.529,37.201 -40.894,36.566 ESP.12
  Bottom Layer w0.381: v1(-50.226,43.915) -50.069,44.072 -49.263,44.072 -48.764,44.571 U9.23
PWM_B: ESP.14 U9.15 | length 23
  Top Layer w0.381: v1(-41.275,34.788) -41.148,34.915 -34.036,34.915 v1(-33.909,35.042)
  Bottom Layer w0.381: U9.15 -46.695,39.361 -45.741,39.361 -44.069,37.689 -44.069,35.677 -43.18,34.788 v1(-41.275,34.788) ; v1(-33.909,35.042) -33.147,35.042 -33.147,38.883 -32.924,39.106 ESP.14
SCL: ESP.22 I2C.3 | length 67.8
  Top Layer w0.5: ESP.22 -53.086,61.966 -51.689,60.569 -43.58,60.569 -43.334,60.323 -42.419,60.323 -42.173,60.569 -40.259,60.569 -40.259,69.586 -40.537,69.864 -42.277,69.864 -43.18,70.767 -43.18,74.838 -41.701,76.317 -34.156,76.317 -26.035,68.197 -26.035,59.553 -26.035,57.306 -25.742,57.013 I2C.3
SCLK: ESP.18 P2.3 | length 25.1
  Bottom Layer w0.5: P2.3 -65.19,63.236 -64.897,62.943 -64.897,59.299 -63.373,57.775 -60.878,57.775 -60.071,56.968 -60.071,48.123 -58.928,46.98 -56.515,46.98 ESP.18
SDA: ESP.21 I2C.4 | length 73.4
  Top Layer w0.5: ESP.21 -52.324,54.346 -52.031,54.639 -52.031,59.084 -51.308,59.807 -43.878,59.807 -43.645,59.573 -42.109,59.573 -41.875,59.807 -39.96,59.807 -39.509,60.258 -39.509,69.574 -39.497,69.586 -39.509,69.598 -39.509,69.897 -40.226,70.614 -41.967,70.614 -42.418,71.065 -42.418,74.539 -41.402,75.555 -34.454,75.555 -26.797,67.898 -26.797,56.036 -25.324,54.564 -23.712,54.564 I2C.4
SDI/SPI: ESP.19 P2.4 | length 17.4
  Bottom Layer w0.5: P2.4 -61.566,62.986 -59.694,62.986 -57.717,61.01 -57.717,50.723 ESP.19
SDO: ESP.23 P2.6 | length 6.1
  Bottom Layer w0.5: P2.6 -58.928,65.776 -57.927,64.775 -56.53,64.775 ESP.23
TRIGGER: ESP.17 P3.2 | length 57.4
  Top Layer w0.5: ESP.17 -54.934,41.646 -54.641,41.939 -54.641,46.015 -52.82,47.836 -52.82,48.123 -52.813,48.13 -52.813,49.245 -51.523,50.536 -51.523,51.12 -50.876,51.767 -50.292,51.767 -48.95,53.108 -48.95,57.68 -47.845,58.786 -38.828,58.786 -38.608,59.006 -38.608,70.348 -38.608,70.602 -39.37,71.364 -41.656,71.364 -41.656,73.523 -40.386,74.793 -36.195,74.793 -35.15,73.749 P3.2
VBATT: C11.2 C16.2 C17.2 D1.2 P1.1 Q2.1 Q2.2 Q2.3 U10.1 | length 275.4
  Top Layer w0.5: P1.1 -67.183,52.441 -66.548,51.806 -64.008,51.806 -62.564,50.362 -62.564,45.122 -63.627,44.059 -68.453,44.059 -70.993,46.599 -70.993,62.728 -62.357,71.364 -54.102,71.364 ; v1(-44.831,77.841) -48.768,77.841 -54.102,72.507 -54.102,71.364 ; v1(-42.799,65.776) -50.507,65.776 -50.8,66.069 -50.8,67.3 -54.102,70.602 -54.102,71.364
  Bottom Layer w0.381: -28.448,68.951 -29.464,69.967 -29.464,71.324 -29.241,71.547 -28.575,71.547 ; Q2.1 -28.282,70.897 -28.575,71.19 -28.575,71.547 ; Q2.2 -28.575,71.547 ; Q2.3 -28.282,72.197 -28.575,71.904 -28.575,71.547
  Bottom Layer w0.5: C16.2 -69.938,30.47 -70.231,30.763 -70.231,39.233 -67.183,42.281 P1.1 ; v1(-44.831,77.841) -41.783,74.793 -41.783,72.761 -40.235,71.213 -36.245,71.213 -35.701,70.669 -35.627,70.669 -33.721,68.763 -28.078,68.763 -27.889,68.951 ; v1(-42.799,65.776) -42.672,65.903 -40.679,65.903 -40.386,65.61 C11.2 ; D1.2 -34.036,6.467 -33.989,6.42 -33.575,6.42 -32.766,7.229 -31.115,7.229 -27.305,11.039 -27.305,15.357 -16.129,26.533 -16.129,31.359 ; -28.448,68.951 -27.889,68.951 ; C17.2 -17.018,30.47 -16.129,31.359 ; U10.1 -16.254,53.785 -16.281,47.781 -16.404,47.488 -17.399,47.488 -17.399,40.122 -15.533,38.256 -15.533,35.384 -16.129,34.788 ; -27.889,68.951 -27.217,68.951 -26.924,68.658 -26.924,53.076 -26.289,52.441 -21.844,52.441 -20.828,51.425 -20.828,44.225 -21.121,43.932 -25.908,43.932 -26.924,42.916 -26.924,35.931 -25.781,34.788 -16.129,34.788 ; -16.129,31.359 -16.129,34.788
pads on no net: ESP.CLK ESP.CMD ESP.D0 ESP.D1 ESP.D2 ESP.D3 ESP.EN ESP.RX ESP.TX ON/OFF.1@-20.097,38.217 U3.2 U7.2

## Polygon pours and split planes (outlines as drawn)
3V3 on Top Layer "3V3_L01_P001" (solid, pour order 1): -77.96,41.519 ccw(c-43.307,41.519) -43.307,6.867 ccw(c-43.307,41.519) -8.654,41.519 ccw(c-43.307,41.519) -43.307,76.172 ccw(c-43.307,41.519)
3V3 on Top Layer "NONET_L-01_P-001" (solid, pour order 2): -77.437,41.646 ccw(c-43.18,41.646) -43.18,7.389 ccw(c-43.18,41.646) -8.923,41.646 ccw(c-43.18,41.646) -43.18,75.903 ccw(c-43.18,41.646)
5V on Top Layer "NONET_L-01_P-001" (solid, pour order 3): -81.133,41.646 ccw(c-43.18,41.646) -43.18,3.694 ccw(c-43.18,41.646) -5.227,41.646 ccw(c-43.18,41.646) -43.18,79.599 ccw(c-43.18,41.646)
GND on Bottom Layer "NONET_L-01_P-001" (solid, pour order 4): -77.966,41.646 ccw(c-43.18,41.646) -43.18,6.86 ccw(c-43.18,41.646) -8.394,41.646 ccw(c-43.18,41.646) -43.18,76.432 ccw(c-43.18,41.646)
5V on Bottom Layer "NONET_L-01_P-001" (solid, pour order 5): -80.8,41.646 ccw(c-43.18,41.646) -43.18,4.026 ccw(c-43.18,41.646) -5.56,41.646 ccw(c-43.18,41.646) -43.18,79.266 ccw(c-43.18,41.646)

## Keep-outs
Keep-Out Layer:
  circle w0.254: c-71.755,42.916 r1.6
  circle w0.254: c-14.859,42.916 r1.6
  circle w0.254: c-43.307,41.519 r38

## Silkscreen, mask and mechanical layers (free items; w line width, h text height)
Top Overlay:
  drawing of 28 lines, arcs and shapes, not listed
  text "V_MOTOR" at -67.183,55.616 h1.52
  text "5V" at -59.182,53.457 h1.52 r90
  text "VBATT" at -69.088,51.552 h1.52 r90
  text "GENERAL" at -27.305,42.789 h1.52
  text "MOTOR" at -68.707,42.535 h1.52
  text "V2.1" at -31.369,17.008 h1.78
  text "+" at -56.515,7.229 h1
  text "-" at -52.959,6.34 h1
  text "D&E EN GUATE" at -47.463,5.07 h2.54
Bottom Overlay:
  text "0" at -60.706,72.507 h1
  text "2" at -58.547,72.507 h1
  text "5V" at -55.499,72.507 h1
  text "1" at -60.833,70.729 h1
  text "3" at -58.547,70.729 h1
  text "GND" at -54.864,70.729 h1
  text "GND" at -41.91,68.824 h1 r260
  text "5V" at -34.036,67.808 h1 r260
  text "SDO" at -58.547,67.427 h1 r90
  text "ECHO" at -39.37,67.3 h1 r260
  text "TRIG" at -36.957,66.919 h1 r260
  text "CS" at -70.739,64.76 h1 r270
  text "SDI" at -58.547,64.379 h1 r90
  text "CLK" at -70.739,61.966 h1 r270
  text "GND" at -58.547,61.966 h1 r90
  text "3V3" at -25.146,61.331 h1
  text "3V3" at -70.739,59.045 h1 r270
  text "GND" at -25.146,58.918 h1
  text "SCL" at -25.146,56.251 h1
  text "SDA" at -25.019,53.711 h1
  text "-" at -17.018,49.901 h1
  text "+" at -69.469,49.266 h1
  text "+" at -17.018,45.837 h1
  text "-" at -69.469,45.456 h1
  text "CLK" at -58.039,20.564 h1
  text "5V" at -26.67,20.437 h1
  text "DISEÑADO POR" at -15.367,18.786 h2.29
  text "TESLA LAB /" at -16.51,16.881 h2.29
  text "A. ISIDRO" at -17.78,15.23 h2.29
  text "+" at -53.827,14.415 h1 r340
  text "-" at -50.271,13.526 h1 r340
  text "CONN_USB" at -38.735,11.674 h1.14
  text "ON" at -47.244,5.451 h1.52

## Text inside footprints (layer, text, board x,y; h text height)
P2: Bottom Overlay "6" at -61.516,66.706 h1.02 r270; Bottom Overlay "5" at -68.58,66.792 h1.02 r270; Bottom Overlay "2" at -61.516,59.166 h1.02 r270; Bottom Overlay "1" at -68.58,59.553 h1.02 r270